# Altium PCB PCB2.PcbDoc (continued)
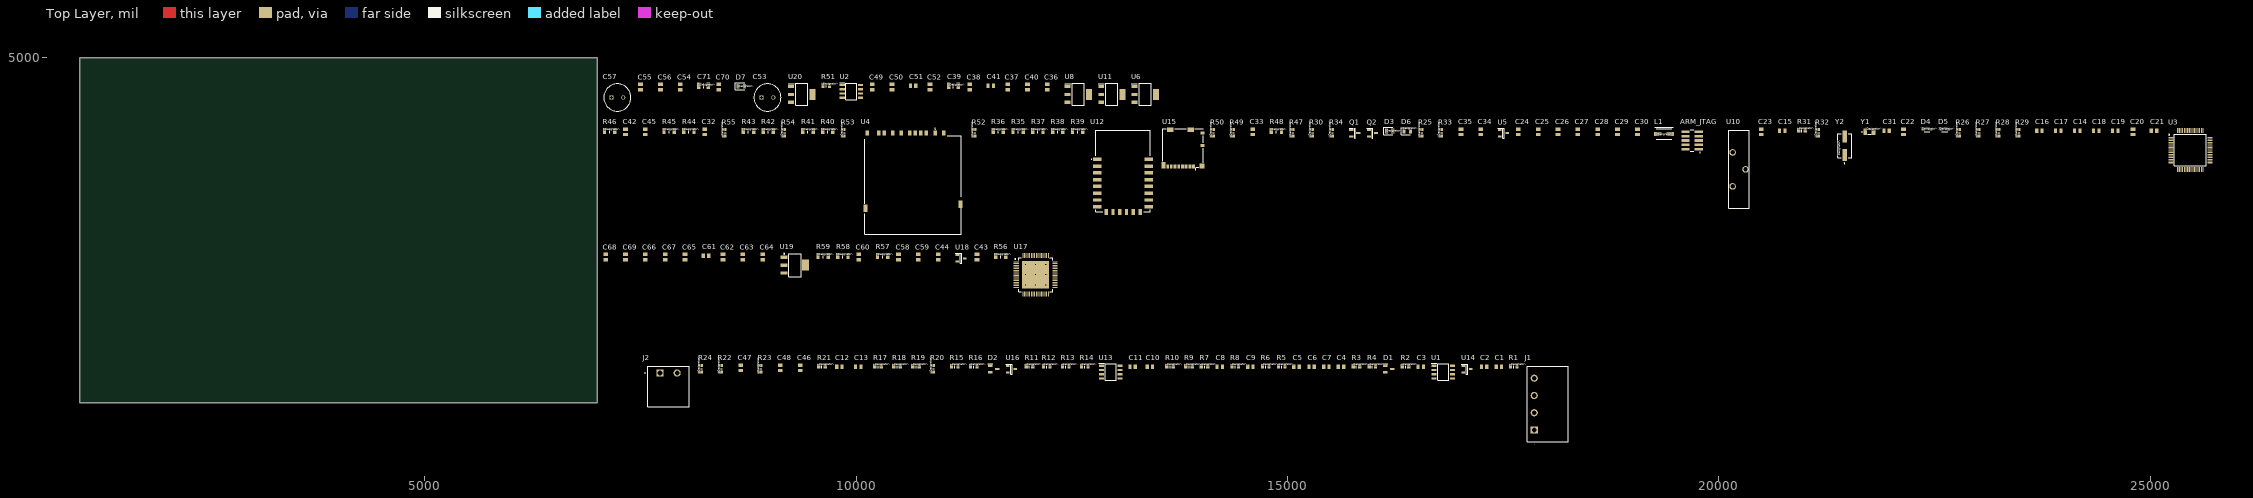
[diagram p0: Top Layer view]
## Part data (continued)
R48: "RES SMD 1206 180K OHM 5% 1/4W", Case/Package=1206, Case Code (Metric)=3216, Manufacturer 1=Yageo, Max Operating Temperature=155°C, Max Power Dissipation=250mW, Min Operating Temperature=-55°C, Package Quantity=1, Resistance=180kR, Resistor Type="Thick Film", Supplier Part Number 1=82AH8580, Temperature Coefficient=100ppm/°C, Tolerance=5%, Voltage Rating=200V, Case Code (Imperial)=1206, ComponentLink1Description=https://datasheet.ciiva.com/29181/402818-da-01-en-smd-widerstand-chip1206-180-kohm-29181400.pdf?src-supplier=Conrad, ComponentLink1URL=https://datasheet.ciiva.com/29181/402818-da-01-en-smd-widerstand-chip1206-180-kohm-29181400.pdf?src-supplier=Conrad, ComponentLink2Description=https://datasheet.ciiva.com/2458/pyu-r-int-thick-7-2458890.pdf?src-supplier=Digi-Key, ComponentLink2URL=https://datasheet.ciiva.com/2458/pyu-r-int-thick-7-2458890.pdf?src-supplier=Digi-Key, ComponentLink3Description=https://datasheet.ciiva.com/2458/pyu-r-int-thick-7-2458891.pdf?src-supplier=Digi-Key, ComponentLink3URL=https://datasheet.ciiva.com/2458/pyu-r-int-thick-7-2458891.pdf?src-supplier=Digi-Key, ComponentLink4Description=https://datasheet.ciiva.com/2458/pyu-r-int-thick-7-2458892.pdf?src-supplier=Digi-Key, ComponentLink4URL=https://datasheet.ciiva.com/2458/pyu-r-int-thick-7-2458892.pdf?src-supplier=Digi-Key, ComponentLink5Description=https://datasheet.ciiva.com/17053/pyu-rc1206-51-rohs-l-4-17053351.pdf?src-supplier=Future+Electronics, ComponentLink5URL=https://datasheet.ciiva.com/17053/pyu-rc1206-51-rohs-l-4-17053351.pdf?src-supplier=Future+Electronics, Construction=Rectangular, Depth=1.6mm, Features="Moisture Resistant", Height=0.026inch, Lead Free="Lead Free", Length=3.1mm, Manufacturer Part Number 1=RC1206JR-07180KL, Military Standard=Not, Number of Terminations=2, Packaging="Tape and Reel", Power Rating=250mW, Pricing 1="10=0,03100, 25=0,02500, 50=0,01800, 100=0,01100 (USD)", RoHS=Yes, RoHS Compliant=Yes, Series=RC, Size Code=1206, Stock 1=23350, Supplier 1=Newark, Termination=SMD/SMT, Voltage Rating (DC)=200V, Width=1.6mm
R49 R50: "Res Thick Film smd  0805 22 Ohm 5% 1/8W", Case/Package=0805, Case Code (Metric)=2012, Manufacturer 1=Yageo, Max Operating Temperature=155°C, Max Power Dissipation=125mW, Min Operating Temperature=-55°C, Resistance=22R, Resistance Tolerance=5%, Resistor Type="Thick Film", Supplier Part Number 1=311-22ARCT-ND, Temperature Coefficient=100ppm/°C, Voltage Rating=150V, Case Code (Imperial)=0805, ComponentLink1Description=http://www.mouser.com/ds/2/447/Yageo_08112016_RC0805-968729.pdf?src-supplier=Mouser, ComponentLink1URL=http://www.mouser.com/ds/2/447/Yageo_08112016_RC0805-968729.pdf?src-supplier=Mouser, ComponentLink2Description=http://www.farnell.com/datasheets/2167052.pdf?src-supplier=Farnell, ComponentLink2URL=http://www.farnell.com/datasheets/2167052.pdf?src-supplier=Farnell, ComponentLink3Description=http://components.arrow.com/part/dataview/0323_00047573?src-supplier=Arrow+Europe, ComponentLink3URL=http://components.arrow.com/part/dataview/0323_00047573?src-supplier=Arrow+Europe, ComponentLink4Description=http://www.farnell.com/datasheets/444164.pdf?src-supplier=Farnell, ComponentLink4URL=http://www.farnell.com/datasheets/444164.pdf?src-supplier=Farnell, ComponentLink5Description=http://www.yageo.com/documents/recent/PYu-RC_Group_51_RoHS_L_10.pdf?src-supplier=Digi-Key, ComponentLink5URL=http://www.yageo.com/documents/recent/PYu-RC_Group_51_RoHS_L_10.pdf?src-supplier=Digi-Key, ComponentLink6Description=http://www.yageo.com/documents/recent/PYu-RC_Group_51_RoHS_L_9.pdf?src-supplier=Digi-Key, ComponentLink6URL=http://www.yageo.com/documents/recent/PYu-RC_Group_51_RoHS_L_9.pdf?src-supplier=Digi-Key, ComponentLink7Description=http://www.yageo.com/pdf/PYu-RC0805_51_RoHS_L_4.pdf?src-supplier=Avnet, ComponentLink7URL=http://www.yageo.com/pdf/PYu-RC0805_51_RoHS_L_4.pdf?src-supplier=Avnet, ComponentLink8Description=http://www.yageo.com/documents/recent/PYu-RC0805_51_RoHS_L_5.pdf?src-supplier=Avnet+Europe, ComponentLink8URL=http://www.yageo.com/documents/recent/PYu-RC0805_51_RoHS_L_5.pdf?src-supplier=Avnet+Europe, ComponentLink9Description=http://www.farnell.com/datasheets/442941.pdf?src-supplier=Element14, ComponentLink9URL=http://www.farnell.com/datasheets/442941.pdf?src-supplier=Element14, ComponentLink10Description=http://www.yageo.ru/pdf/RC0805.pdf?src-supplier=Future+Electronics, ComponentLink10URL=http://www.yageo.ru/pdf/RC0805.pdf?src-supplier=Future+Electronics, ComponentLink11Description=http://www.farnell.com/datasheets/2167052.pdf?src-supplier=Newark, ComponentLink11URL=http://www.farnell.com/datasheets/2167052.pdf?src-supplier=Newark, ComponentLink12Description=http://www.farnell.com/datasheets/444164.pdf?src-supplier=Element14, ComponentLink12URL=http://www.farnell.com/datasheets/444164.pdf?src-supplier=Element14, Construction=Rectangular, Contact Plating=Tin,Matte,Lead, Depth=1.25mm, Features="Moisture Resistant", Lead Free="Lead Free", Length=2mm, Manufacturer Part Number 1=RC0805JR-0722RL, Military Standard=Not, Number of Terminations=2, Packaging="Tape and Reel", Power Rating=125mW, Pricing 1="1=0,10000, 10=0,03600, 100=0,01450, 1000=0,00652, 2500=0,00566 (USD)", Radiation Hardening=No, REACH SVHC=Unknown, RoHS=Yes, Series=RC, Size Code=0805, Stock 1=938847, Supplier 1=Digi-Key, Termination=SMD/SMT, Tolerance=5%
U1 U13: "IC OPAMP GP 2.8MHZ RRO 8SOIC", Case/Package=D, Input Bias Current=50pA, Input Offset Voltage (Vos)=2.2mV, Manufacturer 1="Texas Instruments", Max Dual Supply Voltage=3V, Max Operating Temperature=125°C, Max Supply Voltage=6V, Min Dual Supply Voltage=1.35V, Min Operating Temperature=-40°C, Min Supply Voltage=2.7V, Nominal Supply Current=1.8mA, Operating Supply Current=600uA, Output Current=35mA, Package Quantity=2500, Power Dissipation=710mW, Supplier Part Number 1=296-2440-1-ND, Voltage Gain=120dB, Amplifier Type="GENERAL PURPOSE", Bandwidth=2.8MHz, Common Mode Rejection Ratio=61dB, ComponentLink1Description=https://datasheet.ciiva.com/14461/tlv2475a-14461901.pdf?src-supplier=Avnet, ComponentLink1URL=https://datasheet.ciiva.com/14461/tlv2475a-14461901.pdf?src-supplier=Avnet, ComponentLink2Description=https://datasheet.ciiva.com/1798/tlv2470a-1798989.pdf?src-supplier=Digi-Key, ComponentLink2URL=https://datasheet.ciiva.com/1798/tlv2470a-1798989.pdf?src-supplier=Digi-Key, ComponentLink3Description=https://datasheet.ciiva.com/1798/tlv2470a-1798990.pdf?src-supplier=Digi-Key, ComponentLink3URL=https://datasheet.ciiva.com/1798/tlv2470a-1798990.pdf?src-supplier=Digi-Key, ComponentLink4Description=https://datasheet.ciiva.com/1798/tlv2470a-1798991.pdf?src-supplier=Digi-Key, ComponentLink4URL=https://datasheet.ciiva.com/1798/tlv2470a-1798991.pdf?src-supplier=Digi-Key, ComponentLink5Description=https://datasheet.ciiva.com/26226/tlv2475a-26226351.pdf?src-supplier=Avnet+Europe, ComponentLink5URL=https://datasheet.ciiva.com/26226/tlv2475a-26226351.pdf?src-supplier=Avnet+Europe, ComponentLink6Description=https://datasheet.ciiva.com/48711/001071769-da-01-en-ic-opamp-gp-r-r-2-tlv2472cdr-soic-8-tid-48711766.pdf?src-supplier=Conrad, ComponentLink6URL=https://datasheet.ciiva.com/48711/001071769-da-01-en-ic-opamp-gp-r-r-2-tlv2472cdr-soic-8-tid-48711766.pdf?src-supplier=Conrad, Gain Bandwidth Product=2.8MHz, Lead Free="Lead Free", Max I/O Voltage=2.2mV, Number of Channels=2, Number of Circuits=2, Number of Elements=2, Number of Pins=8, Operating Supply Voltage=3V, Output Current per Channel=35mA, Packaging="Tape and Reel", Pricing 1="1=2,73000, 10=2,45200, 25=2,31360, 100=1,97110, 250=1,85076, 500=1,61942, 1000=1,52775 (USD)", Radiation Hardening=No, RoHS=Yes, RoHS Compliant=Yes, Slew Rate=1.4V/µs, Stock 1=5061, Supplier 1=Digi-Key, Supply Current=1.8mA, Technology=CMOS, Unity Gain Bandwidth Product=2.8MHz
U2: "Charge Pump INV/STPUP -1.5V to -5.5V 120mA 8-Pin SOIC T/R", Case/Package=SOIC, Manufacturer 1="TI National Semiconductor", Max Input Voltage=5.5V, Max Operating Temperature=85°C, Min Input Voltage=1.5V, Min Operating Temperature=-40°C, Operating Supply Current=16mA, Output Current=100mA, Output Voltage=-5.5V, Quiescent Current=1mA, Supplier Part Number 1=LM2660MX/NOPBCT-ND, Switching Frequency=40kHz, ComponentLink1Description=https://datasheet.ciiva.com/26909/getdatasheetpartid-767710-26909758.pdf?src-supplier=Verical, ComponentLink1URL=https://datasheet.ciiva.com/26909/getdatasheetpartid-767710-26909758.pdf?src-supplier=Verical, ComponentLink2Description=https://datasheet.ciiva.com/6594/lm2660-6594222.pdf?src-supplier=Digi-Key, ComponentLink2URL=https://datasheet.ciiva.com/6594/lm2660-6594222.pdf?src-supplier=Digi-Key, Contact Plating=Tin,Matte, Lead Free="Lead Free", Logic Function=Inverting, Manufacturer Part Number 1=LM2660MX/NOPB, Max Supply Voltage=5.5V, Min Supply Voltage=1.5V, Mount="Surface Mount", Number of Outputs=1, Number of Pins=8, Packaging="Tape and Reel", Pricing 1="1=1,66000, 10=1,49400, 25=1,40960, 100=1,20110, 250=1,12784, 500=0,98686, 1000=0,93100 (USD)", Radiation Hardening=No, RoHS=Yes, RoHS Compliant=Yes, Stock 1=13332, Supplier 1=Digi-Key, Synchronous Rectifier=No, Weight=0.006596oz
U3: "MICROCONTROLLER MCU, 32 BIT, CORTEX-M4, 120MHZ, LQFP-64; Architecture:ARM Cortex-M4; CPU Speed:120MHz; Program Memory Size:512KB; RAM Memory Size:128KB; No. of Pins:64; MCU Case Style:LQFP; No. of I/Os:47; Supply Voltage Min:1.62V ;RoHS Compliant: Yes", Case/Package=LQFP, Frequency=120MHz, Manufacturer 1="Microchip / Atmel", Max Frequency=32MHz, Max Operating Temperature=85°C, Max Supply Voltage=3.6V, Min Operating Temperature=-40°C, Min Supply Voltage=1.62V, Package Quantity=160, Supplier Part Number 1=ATSAM4S8BA-AU-TRAY, ComponentLink1Description=https://datasheet.ciiva.com/12272/doc11100-52688-12272160.pdf?src-supplier=Mouser, ComponentLink1URL=https://datasheet.ciiva.com/12272/doc11100-52688-12272160.pdf?src-supplier=Mouser, ComponentLink2Description=https://datasheet.ciiva.com/30476/0900766b811a941e-30476054.pdf?src-supplier=RSComponents, ComponentLink2URL=https://datasheet.ciiva.com/30476/0900766b811a941e-30476054.pdf?src-supplier=RSComponents, ComponentLink3Description=https://datasheet.ciiva.com/8010/1653605-8010699.pdf?src-supplier=Element14, ComponentLink3URL=https://datasheet.ciiva.com/8010/1653605-8010699.pdf?src-supplier=Element14, Core Architecture=ARM, Data Bus Width=32b, Height=1.6mm, Interface=I2C,SPI,USB,IrDA,MMC,UART,USART, Lead Free="Lead Free", Length=12mm, Manufacturer Part Number 1=ATSAM4S8BA-AU, Memory Size=512KB, Memory Type=FLASH,ROM, Mount="Surface Mount", Number of ADC Channels=11, Number of I2C Channels=2, Number of I/Os=47, Number of Pins=64, Number of PWM Channels=4, Number of SPI Channels=1, Number of Timers/Counters=2, Number of UART Channels=2, Number of USB Channels=1, Oscillator Type=Internal, Packaging=Tray, Peripherals="Brown-out Detect/Reset,POR,PWM,WDT,DMA", Radiation Hardening=No, RAM Size=128KB, REACH SVHC="No SVHC", RoHS=Yes, RoHS Compliant=Yes, Series=SAM4S, Stock 1=0, Supplier 1="Future Electronics", Watchdog Timer=Yes, Width=10mm
U4: "Conn; Data; SD (SanDisk Memory) Card Reader; Push - Push Type", Manufacturer 1="Amphenol ICC", Supplier Part Number 1=70248486, ComponentLink1Description=http://www.farnell.com/cad/1912985.pdf?src-supplier=Farnell, ComponentLink1URL=http://www.farnell.com/cad/1912985.pdf?src-supplier=Farnell, ComponentLink2Description=http://www.farnell.com/cad/1912985.pdf?src-supplier=Element14, ComponentLink2URL=http://www.farnell.com/cad/1912985.pdf?src-supplier=Element14, ComponentLink3Description=http://www.farnell.com/datasheets/2562281.pdf?src-supplier=Newark, ComponentLink3URL=http://www.farnell.com/datasheets/2562281.pdf?src-supplier=Newark, ComponentLink4Description=aa, ComponentLink4URL=https://www.amphenol-icc.com/media/wysiwyg/files/drawing/10067847.pdf, Manufacturer Part Number 1=10067847-001RLF, RoHS=Yes, RoHS Compliant=Yes, Stock 1=0, Supplier 1="Allied Electronics"
U5: "INTERSIL         ISL21010CFH330Z-TK             Voltage Reference, Precision Micropower, Series - Fixed, ISL21010 Series, 3V, SOT-23-3", Case/Package=SOT-23, Manufacturer 1=Intersil, Max Input Voltage=6.5V, Max Operating Temperature=125°C, Max Output Current=25mA, Max Output Voltage=3V, Max Supply Current=100uA, Max Supply Voltage=5.5V, Min Operating Temperature=-40°C, Package Quantity=1000, Quiescent Current=80uA, Temperature Coefficient=50ppm/°C, Tolerance=0.2%, ComponentLink1Description=https://datasheet.ciiva.com/1172/1599533-1172856.pdf?src-supplier=Element14, ComponentLink1URL=https://datasheet.ciiva.com/1172/1599533-1172856.pdf?src-supplier=Element14, Height=0.91mm, Length=2.92mm, Manufacturer Part Number 1=ISL21010CFH330Z-TK, Mount="Surface Mount", Number of Channels=1, Number of Pins=3, Output Current=25mA, Output Voltage=3V, Packaging="Tape and Reel", Pricing 1="2000=0,81760, 4000=0,80080, 6000=0,78400, 10000=0,76720, 20000=0,75040, 100000=0,73360, 200000=0,71680 (USD)", Radiation Hardening=No, REACH SVHC="No SVHC", Reference Type=Series,Fixed, Reference Voltage=3V, RoHS=Yes, RoHS Compliant=Yes, Series=ISL21010CFH330, Stock 1=0, Supplier 1=Avnet, Supplier Part Number 1=ISL21010CFH330Z-TK, Width=1.3mm
U6 U11: "LDO Regulator Pos 3.3V 0.8A 4-Pin(3+Tab) SOT-223 T/R", Case/Package=SOT-223, Dropout Voltage=1.2V, Manufacturer 1="TI National Semiconductor", Max Input Voltage=15V, Max Operating Temperature=125°C, Max Output Current=800mA, Max Output Voltage=3.3V, Max Supply Voltage=10V, Min Input Voltage=4.5V, Min Operating Temperature=0°C, Min Supply Voltage=4.75V, Output Voltage Accuracy=1%, Quiescent Current=10mA, Accuracy=1%, ComponentLink1Description=https://datasheet.ciiva.com/1511/1685500-1511708.pdf?src-supplier=Element14, ComponentLink1URL=https://datasheet.ciiva.com/1511/1685500-1511708.pdf?src-supplier=Element14, ComponentLink2Description=https://datasheet.ciiva.com/26904/lm1117mp-3-3-26904890.pdf?src-supplier=IIIC, ComponentLink2URL=https://datasheet.ciiva.com/26904/lm1117mp-3-3-26904890.pdf?src-supplier=IIIC, ComponentLink3Description=https://datasheet.ciiva.com/14275/lm1117-n-14275231.pdf?src-supplier=Avnet, ComponentLink3URL=https://datasheet.ciiva.com/14275/lm1117-n-14275231.pdf?src-supplier=Avnet, ComponentLink4Description=https://datasheet.ciiva.com/1511/1685500-1511709.pdf?src-supplier=Element14, ComponentLink4URL=https://datasheet.ciiva.com/1511/1685500-1511709.pdf?src-supplier=Element14, Manufacturer Part Number 1=LM1117MP-3.3, Mount="Surface Mount", Nominal Output Voltage=3.3V, Number of Outputs=1, Number of Pins=4, Output Current=800mA, Output Type=Fixed, Output Voltage=3.3V, Packaging="Tape and Reel", Polarity=Positive, Radiation Hardening=No, REACH SVHC="No SVHC", RoHS=No, RoHS Compliant=No, Stock 1=0, Supplier 1="Arrow Electronics", Supplier Part Number 1=LM1117MP-3.3, Voltage=3.3V
U8 U20: library part LM1117MP-5.0/NOPB, "Space saving 800-mA low-dropout linear regulator with internal current limit 4-SOT-223 0 to 125", Case/Package=SOT-223, Current Rating=800A, Dropout Voltage=1.2V, Manufacturer 1="TI National Semiconductor", Max Input Voltage=15V, Max Operating Temperature=125°C, Max Output Current=800mA, Max Supply Current=10mA, Max Supply Voltage=12V, Min Input Voltage=2.6V, Min Operating Temperature=0°C, Nominal Output Voltage=5V, Output Voltage Accuracy=1%, Package Quantity=1000, Power Supply Rejection Ratio (PSRR)=75dB, Quiescent Current=5mA, Accuracy=1%, ComponentLink1Description=https://datasheet.ciiva.com/15111/getdatasheetpartid-68363-15111331.pdf?src-supplier=Verical, ComponentLink1URL=https://datasheet.ciiva.com/15111/getdatasheetpartid-68363-15111331.pdf?src-supplier=Verical, ComponentLink2Description=https://datasheet.ciiva.com/14149/lm1117-eng-tds-14149981.pdf?src-supplier=Distrelec, ComponentLink2URL=https://datasheet.ciiva.com/14149/lm1117-eng-tds-14149981.pdf?src-supplier=Distrelec, ComponentLink3Description=https://datasheet.ciiva.com/25980/lm1117-n-25980317.pdf?src-supplier=Avnet+Europe, ComponentLink3URL=https://datasheet.ciiva.com/25980/lm1117-n-25980317.pdf?src-supplier=Avnet+Europe, ComponentLink4Description=https://datasheet.ciiva.com/6580/lm1117-n-6580058.pdf?src-supplier=Digi-Key, ComponentLink4URL=https://datasheet.ciiva.com/6580/lm1117-n-6580058.pdf?src-supplier=Digi-Key, ComponentLink5Description=https://datasheet.ciiva.com/6580/lm1117-n-6580053.pdf?src-supplier=Digi-Key, ComponentLink5URL=https://datasheet.ciiva.com/6580/lm1117-n-6580053.pdf?src-supplier=Digi-Key, Contact Plating=Tin,Matte, Height=1.6mm, Lead Free="Lead Free", Length=6.5mm, Manufacturer Part Number 1=LM1117MP-5.0/NOPB, Min Current Limit=800mA, Mount="Surface Mount", Number of Outputs=1, Number of Pins=4, Number of Regulators=1, Output Configuration=Positive, Output Current=800mA, Output Type=Fixed, Output Voltage=5V, Packaging="Tape and Reel", Polarity=Positive, Pricing 1="1=1,08320, 1000=0,48480 (USD)", Radiation Hardening=No, REACH SVHC="No SVHC", RoHS=Yes, RoHS Compliant=Yes, Series=-, Stock 1=2, Supplier 1="Arrow Electronics", Supplier Part Number 1=LM1117MP-5.0/NOPB, Width=3.56mm
U10: "Strain Relief Bushing; .437\" Mounting Hole; Black", Manufacturer 1="Keystone Electronics", Supplier Part Number 1=36-1074-ND, Manufacturer Part Number 1=1074, Pricing 1="1=0,66000, 25=0,57280, 100=0,46150, 250=0,42480, 500=0,39892, 1000=0,37305, 2500=0,34070, 5000=0,31483 (USD)", RoHS=No, Stock 1=5773, Supplier 1=Digi-Key
U14 U16 U18: "ISL21080 Series 1.5 V 0.5% 300nA NanoPower Voltage Reference - SOT-23-3", Manufacturer 1=Renesas, Supplier Part Number 1=ISL21080CIH315Z-TKCT-ND, ComponentLink1Description=http://www.farnell.com/datasheets/2354212.pdf?src-supplier=Farnell, ComponentLink1URL=http://www.farnell.com/datasheets/2354212.pdf?src-supplier=Farnell, ComponentLink2Description=http://www.farnell.com/datasheets/2354212.pdf?src-supplier=Newark, ComponentLink2URL=http://www.farnell.com/datasheets/2354212.pdf?src-supplier=Newark, ComponentLink3Description=http://www.farnell.com/datasheets/2354212.pdf?src-supplier=Element14, ComponentLink3URL=http://www.farnell.com/datasheets/2354212.pdf?src-supplier=Element14, ComponentLink4Description=http://www.farnell.com/datasheets/1492089.pdf?src-supplier=Newark, ComponentLink4URL=http://www.farnell.com/datasheets/1492089.pdf?src-supplier=Newark, Manufacturer Part Number 1=ISL21080CIH315Z-TK, Pricing 1="1=1,66000, 10=1,48900, 25=1,40440, 100=1,19660, 250=1,12360, 500=0,98316 (USD)", RoHS=Yes, RoHS Compliant=Yes, Stock 1=1020, Supplier 1=Digi-Key
U15: "1.10mm Pitch microSD Memory Card Connector, Surface Mount, Push-Pull Type, 1.42mm Height, with Detect Switch", Current Rating=500mA, Manufacturer 1=Molex, Max Operating Temperature=85°C, Min Operating Temperature=-25°C, Package Quantity=1, Supplier Part Number 1=WM6357CT-ND, Voltage Rating (AC)=10V, ComponentLink1Description=https://datasheet.ciiva.com/16655/1040310811-memory-card-socket-16655292.pdf?src-supplier=Avnet+Europe, ComponentLink1URL=https://datasheet.ciiva.com/16655/1040310811-memory-card-socket-16655292.pdf?src-supplier=Avnet+Europe, ComponentLink2Description=https://datasheet.ciiva.com/4581/1040310811-memory-card-socket-153593-4581012.pdf?src-supplier=Mouser, ComponentLink2URL=https://datasheet.ciiva.com/4581/1040310811-memory-card-socket-153593-4581012.pdf?src-supplier=Mouser, ComponentLink3Description=https://datasheet.ciiva.com/683/1040310811-sd-683579.pdf?src-supplier=Digi-Key, ComponentLink3URL=https://datasheet.ciiva.com/683/1040310811-sd-683579.pdf?src-supplier=Digi-Key, ComponentLink4Description=https://datasheet.ciiva.com/3121/1040310811-memory-card-socket-3121437.pdf?src-supplier=Avnet, ComponentLink4URL=https://datasheet.ciiva.com/3121/1040310811-memory-card-socket-3121437.pdf?src-supplier=Avnet, ComponentLink5Description=https://datasheet.ciiva.com/15174/getdatasheetpartid-716154-15174887.pdf?src-supplier=Verical, ComponentLink5URL=https://datasheet.ciiva.com/15174/getdatasheetpartid-716154-15174887.pdf?src-supplier=Verical, ComponentLink6Description=https://datasheet.ciiva.com/16496/1040310811-memory-card-socket-16496702.pdf?src-supplier=Avnet+Asia, ComponentLink6URL=https://datasheet.ciiva.com/16496/1040310811-memory-card-socket-16496702.pdf?src-supplier=Avnet+Asia, ComponentLink7Description=https://datasheet.ciiva.com/683/1040310811-sd-683580.pdf?src-supplier=Digi-Key, ComponentLink7URL=https://datasheet.ciiva.com/683/1040310811-sd-683580.pdf?src-supplier=Digi-Key, ComponentLink8Description=https://datasheet.ciiva.com/683/1040310811-sd-683581.pdf?src-supplier=Digi-Key, ComponentLink8URL=https://datasheet.ciiva.com/683/1040310811-sd-683581.pdf?src-supplier=Digi-Key, Connector Type=Connector, Contact Material=Bronze, Contact Plating=Gold, Depth=11.4mm, Gender=Female, Halogen Free="Low Halogen", Height=1.42mm, Housing Material=Polymer, Length=11.14mm, Manufacturer Part Number 1=1040310811, Mating Cycles=10000, Mount="Standard,Surface Mount", Number of Circuits=8, Number of Contacts=8, Number of Rows=1, Orientation="Right Angle", Packaging="Tape and Reel", Pitch=1.1mm, Pricing 1="1=2,12000, 10=1,80700, 100=1,49270, 1000=1,17842 (USD)", Radiation Hardening=No, REACH SVHC=Unknown, RoHS=Yes, Series=104031, Stock 1=24019, Supplier 1=Digi-Key, Termination=Solder, Width=11.4mm
U17: "Octal Channel Quad ADC Delta-Sigma 52ksps 16-bit Serial 64-Pin HTQFP EP T/R", Case/Package=HTQFP, Manufacturer 1="Texas Instruments", Max Operating Temperature=85°C, Max Power Dissipation=210mW, Max Supply Voltage=5.25V, Min Operating Temperature=-40°C, Min Supply Voltage=4.75V, Nominal Supply Current=23mA, Operating Supply Voltage=5V, Package Quantity=250, Power Consumption=135mW, Supplier Part Number 1=296-22951-1-ND, ComponentLink1Description=https://datasheet.ciiva.com/7226/46094-7226797.pdf?src-supplier=Newark, ComponentLink1URL=https://datasheet.ciiva.com/7226/46094-7226797.pdf?src-supplier=Newark, ComponentLink2Description=https://datasheet.ciiva.com/41461/001186699-da-01-en-ic-adc-16bit-q-ads1174ipapt-htqfp-64-tid-41461041.pdf?src-supplier=Conrad, ComponentLink2URL=https://datasheet.ciiva.com/41461/001186699-da-01-en-ic-adc-16bit-q-ads1174ipapt-htqfp-64-tid-41461041.pdf?src-supplier=Conrad, ComponentLink3Description=https://datasheet.ciiva.com/26800/ads1174ipapt-26800957.pdf?src-supplier=IIIC, ComponentLink3URL=https://datasheet.ciiva.com/26800/ads1174ipapt-26800957.pdf?src-supplier=IIIC, ComponentLink4Description=https://datasheet.ciiva.com/1704/1831206-1704289.pdf?src-supplier=Element14, ComponentLink4URL=https://datasheet.ciiva.com/1704/1831206-1704289.pdf?src-supplier=Element14, ComponentLink5Description=https://datasheet.ciiva.com/1264/ads1174-1264637.pdf?src-supplier=Digi-Key, ComponentLink5URL=https://datasheet.ciiva.com/1264/ads1174-1264637.pdf?src-supplier=Digi-Key, ComponentLink6Description=https://datasheet.ciiva.com/1264/ads1174-1264636.pdf?src-supplier=Digi-Key, ComponentLink6URL=https://datasheet.ciiva.com/1264/ads1174-1264636.pdf?src-supplier=Digi-Key, ComponentLink7Description=https://datasheet.ciiva.com/1264/ads1174-1264638.pdf?src-supplier=Digi-Key, ComponentLink7URL=https://datasheet.ciiva.com/1264/ads1174-1264638.pdf?src-supplier=Digi-Key, ComponentLink8Description=https://datasheet.ciiva.com/14257/sbas373b-14257851.pdf?src-supplier=Avnet, ComponentLink8URL=https://datasheet.ciiva.com/14257/sbas373b-14257851.pdf?src-supplier=Avnet, Contact Plating=Gold, Conversion Rate=52KS/s, Differential Nonlinearity=1LSB, Height=1.05mm, Input Type=SINGLE-ENDED, Integral Nonlinearity (INL)=1LSB, Interface=SPI, Lead Free="Lead Free", Length=10.2mm, Manufacturer Part Number 1=ADS1174IPAPT, Mount="Surface Mount", Number of A/D Converters=4, Number of Analog Inputs=8, Number of Bits=16, Number of Channels=4, Number of Converters=4, Number of Elements=4, Number of Inputs=4, Number of Pins=64, Packaging="Tape and Reel", Polarity=Bipolar, Power Dissipation=135mW, Pricing 1="1=16,29000, 10=14,97100, 25=14,35040, 100=12,80650 (USD)", REACH SVHC="No SVHC", Resolution=16b, RoHS=Yes, RoHS Compliant=Yes, Sampling Rate=52KS/s, Signal to Noise Ratio (SNR)=97dB, Stock 1=229, Supplier 1=Digi-Key, Supply Current=23mA, Supply Type=Analog,Digital, Termination=SMD/SMT, Width=10.2mm
U19: "Fixed Positive LDO Regulator, 1.8V, 1.3V Dropout, BIPolar, PDSO4", Case/Package=SOT-223, Current Rating=800A, Dropout Voltage=1.2V, Manufacturer 1="TI National Semiconductor", Max Input Voltage=15V, Max Operating Temperature=125°C, Max Output Current=800mA, Max Output Voltage=1.8V, Max Supply Current=10mA, Min Input Voltage=2.6V, Min Operating Temperature=0°C, Output Voltage Accuracy=1%, Package Quantity=1000, Power Supply Rejection Ratio (PSRR)=75dB, Quiescent Current=5mA, Supplier Part Number 1=LM1117MP-1.8/NOPBCT-ND, Accuracy=1%, ComponentLink1Description=https://datasheet.ciiva.com/34302/1282062-34302143.pdf?src-supplier=Jameco, ComponentLink1URL=https://datasheet.ciiva.com/34302/1282062-34302143.pdf?src-supplier=Jameco, ComponentLink2Description=https://datasheet.ciiva.com/26904/lm1117mp-1-8-nopb-26904877.pdf?src-supplier=IIIC, ComponentLink2URL=https://datasheet.ciiva.com/26904/lm1117mp-1-8-nopb-26904877.pdf?src-supplier=IIIC, ComponentLink3Description=https://datasheet.ciiva.com/2047/lm1117-n-2047309.pdf?src-supplier=Digi-Key, ComponentLink3URL=https://datasheet.ciiva.com/2047/lm1117-n-2047309.pdf?src-supplier=Digi-Key, ComponentLink4Description=https://datasheet.ciiva.com/2047/lm1117-n-2047310.pdf?src-supplier=Digi-Key, ComponentLink4URL=https://datasheet.ciiva.com/2047/lm1117-n-2047310.pdf?src-supplier=Digi-Key, ComponentLink5Description=https://datasheet.ciiva.com/2047/lm1117-n-2047311.pdf?src-supplier=Digi-Key, ComponentLink5URL=https://datasheet.ciiva.com/2047/lm1117-n-2047311.pdf?src-supplier=Digi-Key, ComponentLink6Description=https://datasheet.ciiva.com/1570/1849796-1570200.pdf?src-supplier=Farnell, ComponentLink6URL=https://datasheet.ciiva.com/1570/1849796-1570200.pdf?src-supplier=Farnell, ComponentLink7Description=https://datasheet.ciiva.com/8042/10195-8042269.pdf?src-supplier=Element14, ComponentLink7URL=https://datasheet.ciiva.com/8042/10195-8042269.pdf?src-supplier=Element14, ComponentLink8Description=https://datasheet.ciiva.com/25980/lm1117-n-25980605.pdf?src-supplier=Avnet+Europe, ComponentLink8URL=https://datasheet.ciiva.com/25980/lm1117-n-25980605.pdf?src-supplier=Avnet+Europe, ComponentLink9Description=https://datasheet.ciiva.com/14149/lm1117-eng-tds-14149978.pdf?src-supplier=Distrelec, ComponentLink9URL=https://datasheet.ciiva.com/14149/lm1117-eng-tds-14149978.pdf?src-supplier=Distrelec, Contact Plating=Tin,Matte, Height=1.6mm, Lead Free="Lead Free", Length=6.5mm, Manufacturer Part Number 1=LM1117MP-1.8/NOPB, Moisture Sensitivity Level=1, Mount="Surface Mount", Nominal Output Voltage=1.8V, Number of Outputs=1, Number of Pins=4, Number of Regulators=1, Number of Terminals/Pins=4, Output Configuration=Positive, Output Current=800mA, Output Type=Fixed, Output Voltage=1.8V, Packaging="Tape and Reel", Polarity=Positive, Pricing 1="1=1,41000, 10=1,26300, 25=1,19920, 100=0,98500, 250=0,92072, 500=0,81366 (USD)", Radiation Hardening=No, REACH SVHC="No SVHC", RoHS=Yes, Series=-, Stock 1=994, Supplier 1=Digi-Key, Terminal Finish=Tin, Terminal Form=SMD/SMT, Termination=SMD/SMT, Width=3.56mm
Y1: "Crystal 0.032768MHz ±20ppm (Tol) 12.5pF Flexural 70000Ohm 2-Pin CSMD T/R", Case/Package=SMD/SMT, ESR (Equivalent Series Resistance)=70kR, Frequency=32.768kHz, Frequency Tolerance=20ppm, Load Capacitance=12.5pF, Manufacturer 1="ECS International", Max Operating Temperature=125°C, Min Operating Temperature=-40°C, Package Quantity=3000, Supplier Part Number 1=XC1967CT-ND, ComponentLink1Description=https://datasheet.ciiva.com/15047/ecx-34s-15047020.pdf?src-supplier=Digi-Key, ComponentLink1URL=https://datasheet.ciiva.com/15047/ecx-34s-15047020.pdf?src-supplier=Digi-Key, ComponentLink2Description=https://datasheet.ciiva.com/15047/ecx-34s-15047021.pdf?src-supplier=Digi-Key, ComponentLink2URL=https://datasheet.ciiva.com/15047/ecx-34s-15047021.pdf?src-supplier=Digi-Key, ComponentLink3Description=https://datasheet.ciiva.com/15047/ecx-34s-15047022.pdf?src-supplier=Digi-Key, ComponentLink3URL=https://datasheet.ciiva.com/15047/ecx-34s-15047022.pdf?src-supplier=Digi-Key, Height=0.035inch, Lead Free="Lead Free", Lead Pitch=1.8mm, Length=0.126inch, Manufacturer Part Number 1=ECS-.327-12.5-34S-TR, Mount="Surface Mount", Number of Pins=2, Packaging="Tape and Reel", Pricing 1="1=1,37000, 10=1,21400, 50=1,13520, 100=1,00320, 500=0,95040, 1000=0,79200 (USD)", RoHS=Yes, RoHS Compliant=Yes, Series=ECX-34S, Stock 1=0, Supplier 1=Digi-Key, Termination=SMD/SMT, Tolerance=20ppm, Width=1.5mm
Y2: "CRYSTAL 12.0000MHZ 20PF SMD", ESR (Equivalent Series Resistance)=60R, Frequency=12MHz, Frequency Stability=50ppm, Frequency Tolerance=30ppm, Load Capacitance=20pF, Manufacturer 1="ECS International", Max Operating Temperature=70°C, Min Operating Temperature=-10°C, Package Quantity=1, Supplier Part Number 1=XC1770CT-ND, ComponentLink1Description=https://datasheet.ciiva.com/852/csm-3x-852331.pdf?src-supplier=Digi-Key, ComponentLink1URL=https://datasheet.ciiva.com/852/csm-3x-852331.pdf?src-supplier=Digi-Key, ComponentLink2Description=https://datasheet.ciiva.com/852/csm-3x-852332.pdf?src-supplier=Digi-Key, ComponentLink2URL=https://datasheet.ciiva.com/852/csm-3x-852332.pdf?src-supplier=Digi-Key, ComponentLink3Description=https://datasheet.ciiva.com/852/csm-3x-852333.pdf?src-supplier=Digi-Key, ComponentLink3URL=https://datasheet.ciiva.com/852/csm-3x-852333.pdf?src-supplier=Digi-Key, Height=0.091inch, Lead Free="Lead Free", Length=0.276inch, Manufacturer Part Number 1=ECS-120-20-3X-TR, Mount="Surface Mount", Number of Pins=2, Packaging="Tape and Reel", Pricing 1="1=0,34000, 10=0,28800, 50=0,25880, 100=0,23000, 500=0,21850, 1000=0,18400 (USD)", RoHS=Yes, Series=CSM-3X, Stock 1=16869, Supplier 1=Digi-Key, Termination=SMD/SMT, Tolerance=30ppm, Width=4.1mm

## Via types
v1: diameter 26, hole 13, Top Layer to Bottom Layer, 9 vias

## Nets (pads, with @x,y where several pads share a name; then routed paths per layer and width w, separated by ;. In a path a pad name is that pad's centre, name@x,y a point inside that pad or via, vN(x,y) a via of type N, cw(c..) or ccw(c..) an arc to the next point about the centre after c; other vN are vias at no path point)
"+1V5 ADC": U17.2 U17.4 U17.56 U18.2
+1V5c: R7.2 U14.2
+1V5v: R22.2 U16.2
+1V8: U17.26 U19.2 U19.4
+3V3: ARM_JTAG.1 D1.1 D2.1 D4.2 R25.1 R26.2 R27.2 R28.2 R29.2 R33.2 R35.1 R36.1 R37.1 R38.1 R39.1 R51.2 U4.4 U5.1 U6.2 U6.4 U17.10 U17.11 U17.22 U17.23 U17.41 U17.42
+3V3_WIFI: R52.2 R53.2 R54.1 U11.2 U11.4 U12.8
+5V: U1.8 U2.8 U6.1 U8.2 U8.4 U13.8 U14.1 U16.1 U17.5 U17.44 U17.53 U17.60 U18.1 U19.1
"+5V wifi": U11.1 U20.2 U20.4
+12V: U8.1 U20.1
-5V: U2.5
AC220V: R11.2
AD3: U3.16
AD4: U3.3
AD5: U3.4
ADC1: D1.3 R6.2 U1.7 U3.11 U17.3
ADC2: D2.3 R21.2 U3.14 U13.7 U17.1
"ADC READY": R57.2 U3.20
ADVREF: U3.1 U5.2
AGND: D1.2 D2.2 D7.1 R8.2 R9.2 R23.2 R24.2 U1.4 U2.3 U2.6 U6.3 U8.3 U13.4 U14.3 U16.3 U17.6 U17.43 U17.45 U17.46 U17.47 U17.48 U17.49 U17.50 U17.51 U17.52 U17.54 U17.57 U17.58 U17.59 U17.61 U17.62 U17.63 U17.64 U17.65 U18.3 U19.3 U20.3
  other v1: 11962,2367 12080,2367 12198,2367 11962,2485 12080,2485 12198,2485 11962,2603 12080,2603 12198,2603
"AGND wifi": U11.3
"ARM LED1": R34.1 U3.48
"ARM LED2": R30.1 U3.47
DGND: ARM_JTAG.3 ARM_JTAG.5 ARM_JTAG.9 Q1.2 Q2.2 R31.1 R32.1 R48.2 U3.2 U3.17 U3.46 U3.60 U4.3 U4.6 U5.3 U17.7 U17.8 U17.9 U17.21 U17.24 U17.25 U17.30 U17.31 U17.32 U17.34 U17.35 U17.36 U17.37 U17.38 U17.39 U17.40
ERASE: U3.55
GND: 
GND_WIFI: R55.1 U12.15
NetC1_23: R3.2 R4.2 R8.1
NetC2_22: R1.1 R3.1 U1.1
NetC2_23: R1.2 R2.2 U1.2
NetC3_22: R2.1
NetC7_22: R5.1
NetC8_22: R5.2 R7.1 U1.3
NetC9_22: R4.1 U1.5
NetC10_23: R15.2 R16.2 R23.1
NetC11_22: R10.1 R15.1 U13.1
NetC11_23: R10.2 R14.1 U13.2
NetC15_22: U3.31
NetC16_23: D4.1 D5.1 U3.7 U3.18 U3.45 U3.58
NetC22_22: U3.32
NetC24_23: L1.1 U3.8 U3.12 U3.24 U3.54
NetC29_23: L1.2 U3.64
NetC47_22: R20.1 R22.1 U13.3
NetC48_22: R16.1 U13.5
NetC53_24: U2.4
NetC53_25: U2.2
NetD3_1: D3.1 Q1.3
NetD3_2: D3.2 R25.2
NetD5_2: D5.2 U10.1 U10.3
NetD6_1: D6.1 Q2.3
NetD6_2: D6.2 R33.1
NetD7_2: D7.2 R51.1
NetQ1_1: Q1.1 R30.2
NetQ2_1: Q2.1 R34.2
NetR6_1: R6.1 R9.1 U1.6
NetR11_1: R11.1 R12.2
NetR12_1: R12.1 R13.2
NetR13_1: R13.1 R14.2
NetR17_1: R17.1 R18.2
NetR18_1: R18.1 R19.2
NetR19_1: R19.1 R20.2
NetR21_1: R21.1 R24.1 U13.6
NetR31_2: R31.2 U3.50
NetR32_2: R32.2 U3.40
NetR35_2: R35.2 R45.2 U4.2
NetR36_2: R36.2 R43.2 U4.1
NetR37_2: R37.2 R42.2 U4.9
NetR38_2: R38.2 R41.2 U4.8
NetR39_2: R39.2 R40.2 U4.7
NetR44_2: R44.2 U4.5
NetR46_1: R46.1
NetR47_1: R47.1
NetR49_2: R49.2
NetR50_2: R50.2
NetR52_1: R52.1 U12.1
NetR53_1: R53.1 U12.3
NetR54_2: R54.2 U12.18
NetR55_2: R55.2 U12.16
NetR56_1: R56.1 U17.20
NetR57_1: R57.1 U17.29
NetR58_1: R58.1 U17.28
NetR59_1: R59.1 U17.27
PA2: U3.44
PA3: U3.43
PA4: U3.36
PA5: U3.35
PA6: U3.34
PA9: U3.30
PA10: U3.29
PA16: U3.19
PA17: U3.9
PA19: U3.13
PA23: U3.15
PA24: U3.23
PB8: U3.61
PB9: U3.62
PB14: U3.63
PCK2: R59.2 U3.10
RESET: ARM_JTAG.10 U3.39
"SD CD": R46.2 U3.25
"SD MCCDA": R45.1 U3.38
"SD MCCK": R44.1 U3.41
"SD MCDA0": R40.1 U3.42
"SD MCDA1": R41.1 U3.52
"SD MCDA2": R42.1 U3.26
"SD MCDA3": R43.1 U3.37
"SPI MISO": U3.27
"SPI MOSI": R56.2 U3.22
"SPI NPCS0": U3.28
"SPI SPCK": R58.2 U3.21
TCK: ARM_JTAG.4 ARM_JTAG.7 R27.1 U3.53
TDI: ARM_JTAG.8 R29.1 U3.33
TDO: ARM_JTAG.6 R28.1 U3.49
TGND: R17.2
TMS: ARM_JTAG.2 R26.1 U3.51
"UART URXD0": U12.22
"UART URXD1": U3.5
"UART UTXD0": U12.21
"UART UTXD1": U3.6
"USB DDM": R49.1 U3.56
"USB DDP": R50.1 U3.57
"USB VBUS": R47.2 R48.1 U3.59
pads on no net: C1.1 C1.2 C2.1 C2.2 C3.1 C3.2 C4.1 C4.2 C5.1 C5.2 C6.1 C6.2 C7.1 C7.2 C8.1 C8.2 C9.1 C9.2 C10.1 C10.2 C11.1 C11.2 C12.1 C12.2 C13.1 C13.2 C14.1 C14.2 C15.1 C15.2 C16.1 C16.2 C17.1 C17.2 C18.1 C18.2 C19.1 C19.2 C20.1 C20.2 C21.1 C21.2 C22.1 C22.2 C23.1 C23.2 C24.1 C24.2 C25.1 C25.2 C26.1 C26.2 C27.1 C27.2 C28.1 C28.2 C29.1 C29.2 C30.1 C30.2 C31.1 C31.2 C32.1 C32.2 C33.1 C33.2 C34.1 C34.2 C35.1 C35.2 C36.1 C36.2 C37.1 C37.2 C38.1 C38.2 C39.1 C39.2 C40.1 C40.2 C41.1 C41.2 C42.1 C42.2 C43.1 C43.2 C44.1 C44.2 C45.1 C45.2 C46.1 C46.2 C47.1 C47.2 C48.1 C48.2 C49.1 C49.2 C50.1 C50.2 C51.1 C51.2 C52.1 C52.2 C53.1 C53.2 C54.1 C54.2 C55.1 C55.2 C56.1 C56.2 C57.1 C57.2 C58.1 C58.2 C59.1 C59.2 C60.1 C60.2 C61.1 C61.2 C62.1 C62.2 C63.1 C63.2 C64.1 C64.2 C65.1 C65.2 C66.1 C66.2 C67.1 C67.2 C68.1 C68.2 C69.1 C69.2 C70.1 C70.2 C71.1 C71.2 J1.1 J1.2 J1.3 J1.4 J2.1 J2.2 U2.1 U2.7 U4.CD1 U4.G1 U4.G2 U4.MH1 U4.MH2 U4.WP1 U10.2 U12.2 U12.4 U12.5 U12.6 U12.7 U12.9 U12.10 U12.11 U12.12 U12.13 U12.14 U12.17 U12.19 U12.20 U15.1 U15.2 U15.3 U15.4 U15.5 U15.6 U15.7 U15.8 U15.9 U15.10 U15.11 U15.12 U15.13 U15.14 U17.12 U17.13 U17.14 U17.15 U17.16 U17.17 U17.18 U17.19 U17.33 U17.55 Y1.1 Y1.2 Y2.1 Y2.2